# Altium PCB PCB1.PcbDoc (part 1 of 2)
Units mil, origin at the board's own origin, x right, y up, seen from the top; angles counter-clockwise.
Board outline 2485 x 2170 mil, 4 copper layers (Top Layer, Internal Plane 1, Internal Plane 2, Bottom Layer); 41 components, 55 nets, 243 pads, 48 vias.
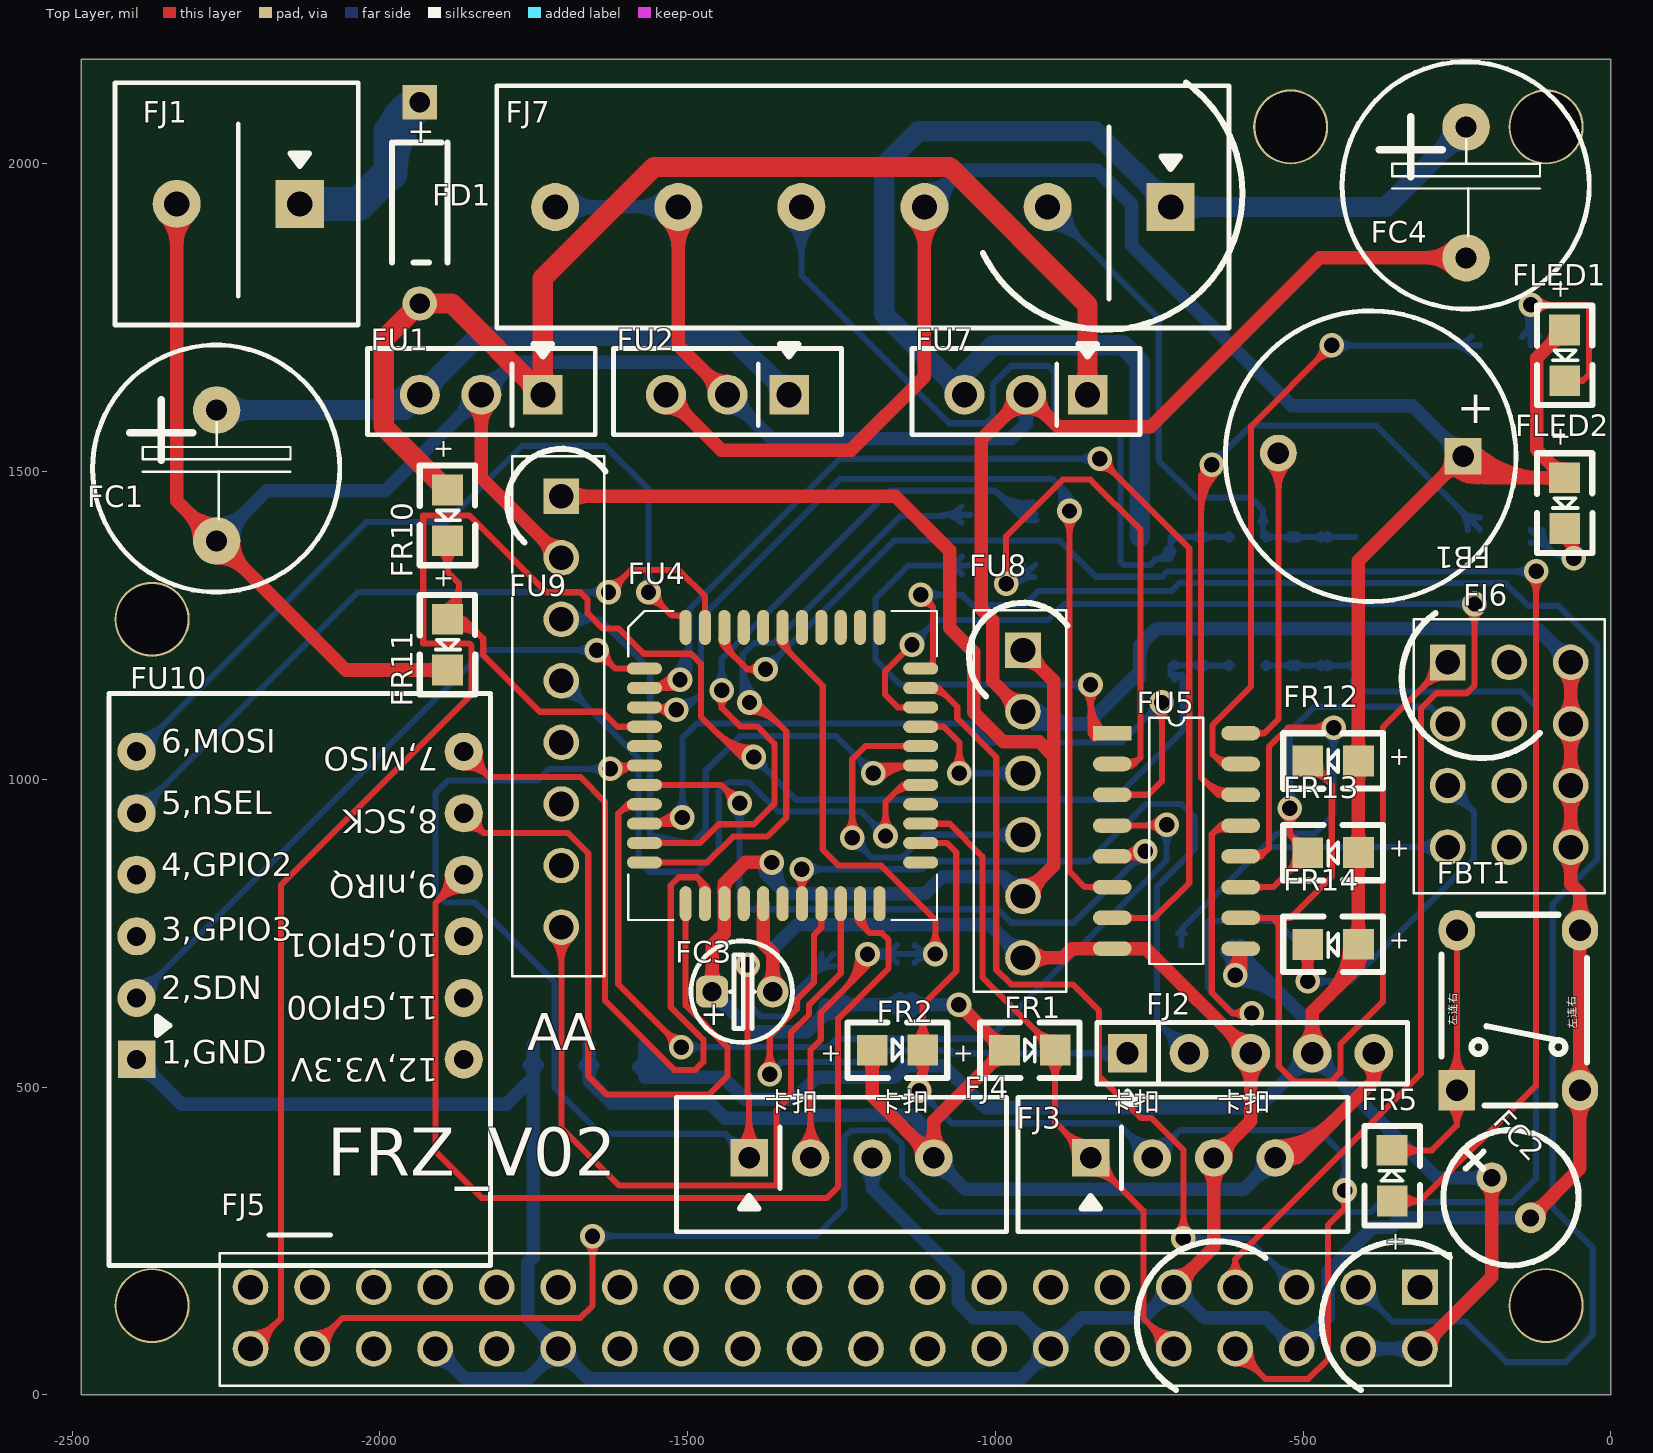
[diagram p0: Top Layer view]
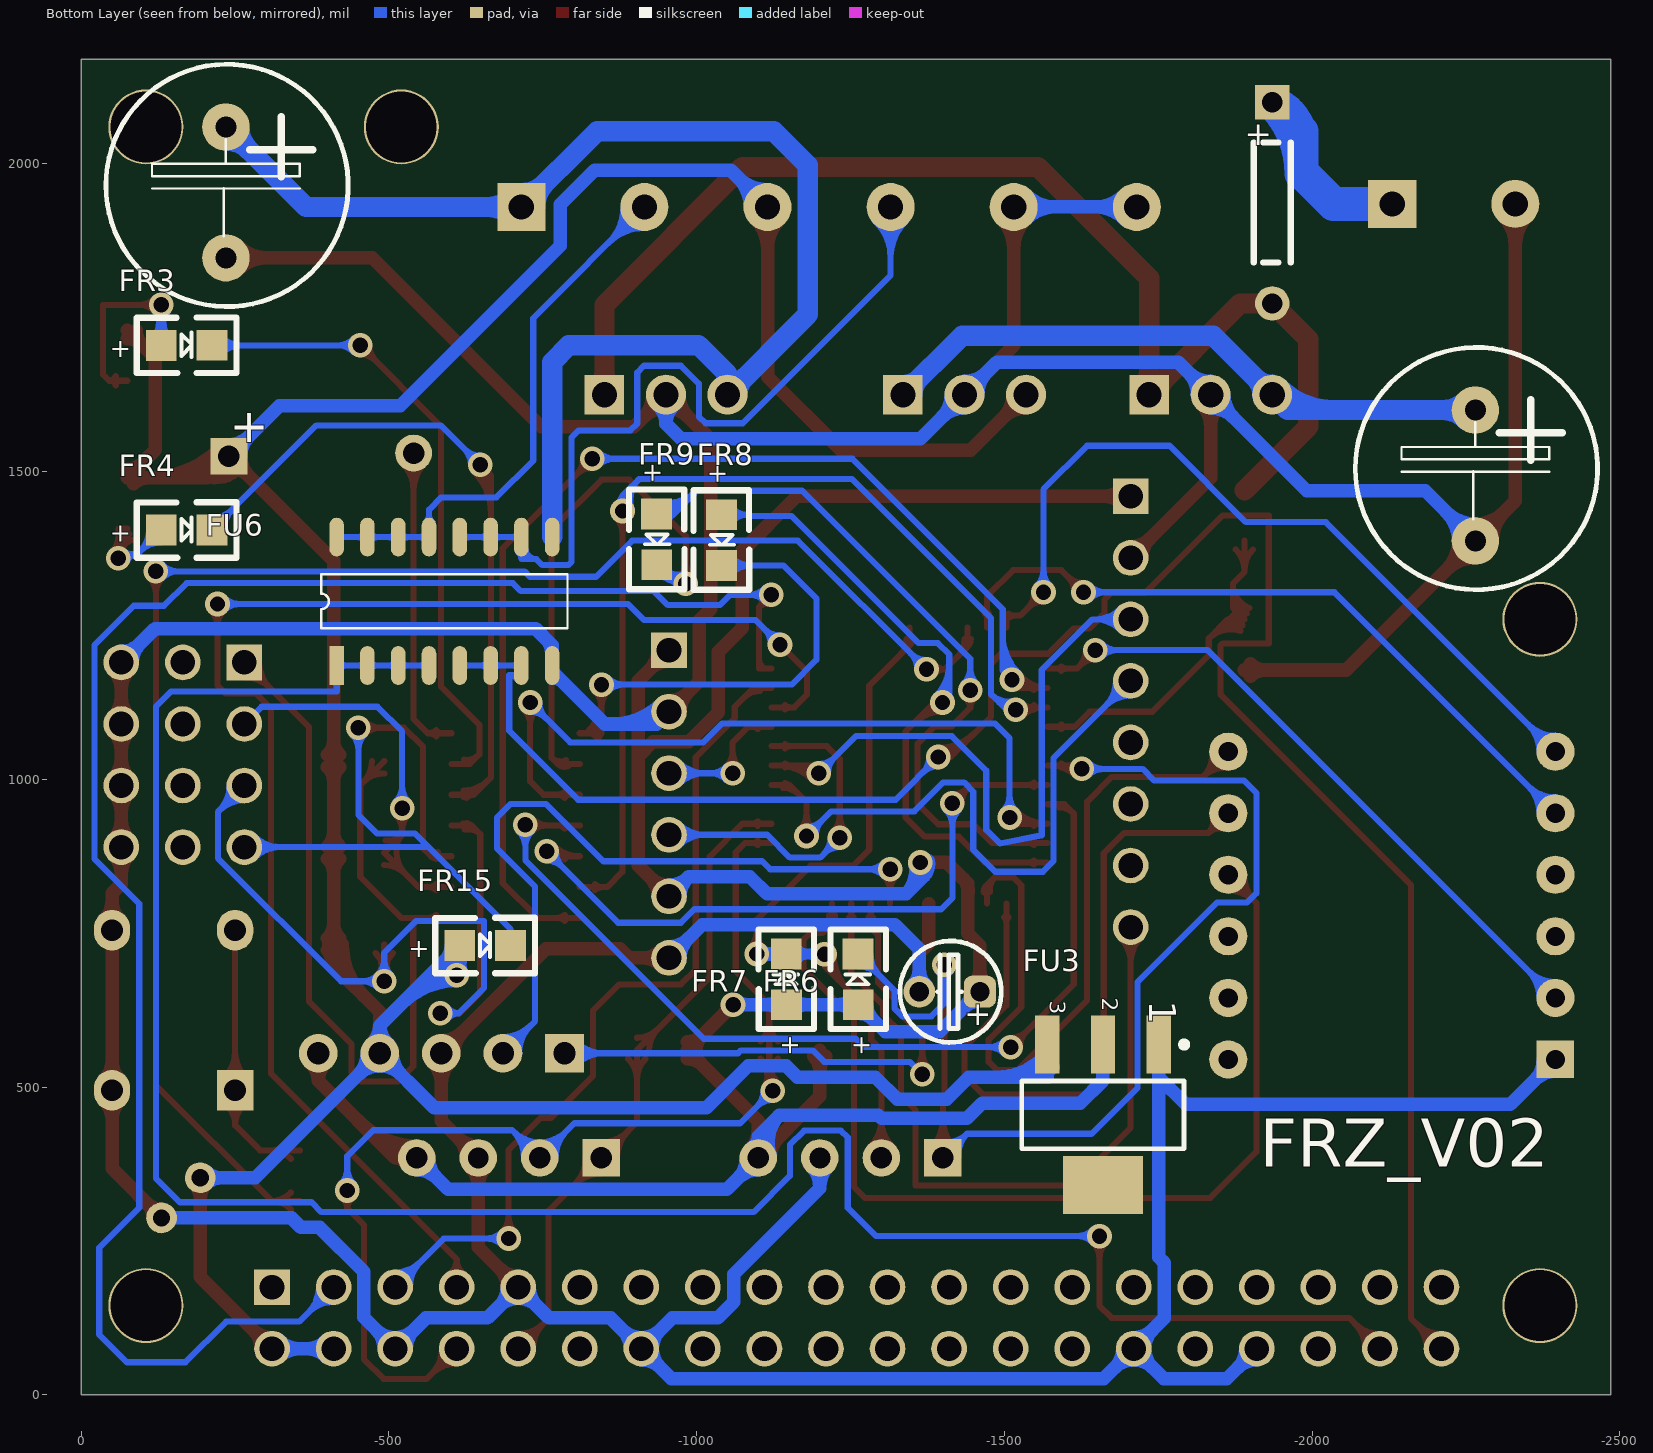
[diagram p1: Bottom Layer view, seen from below]
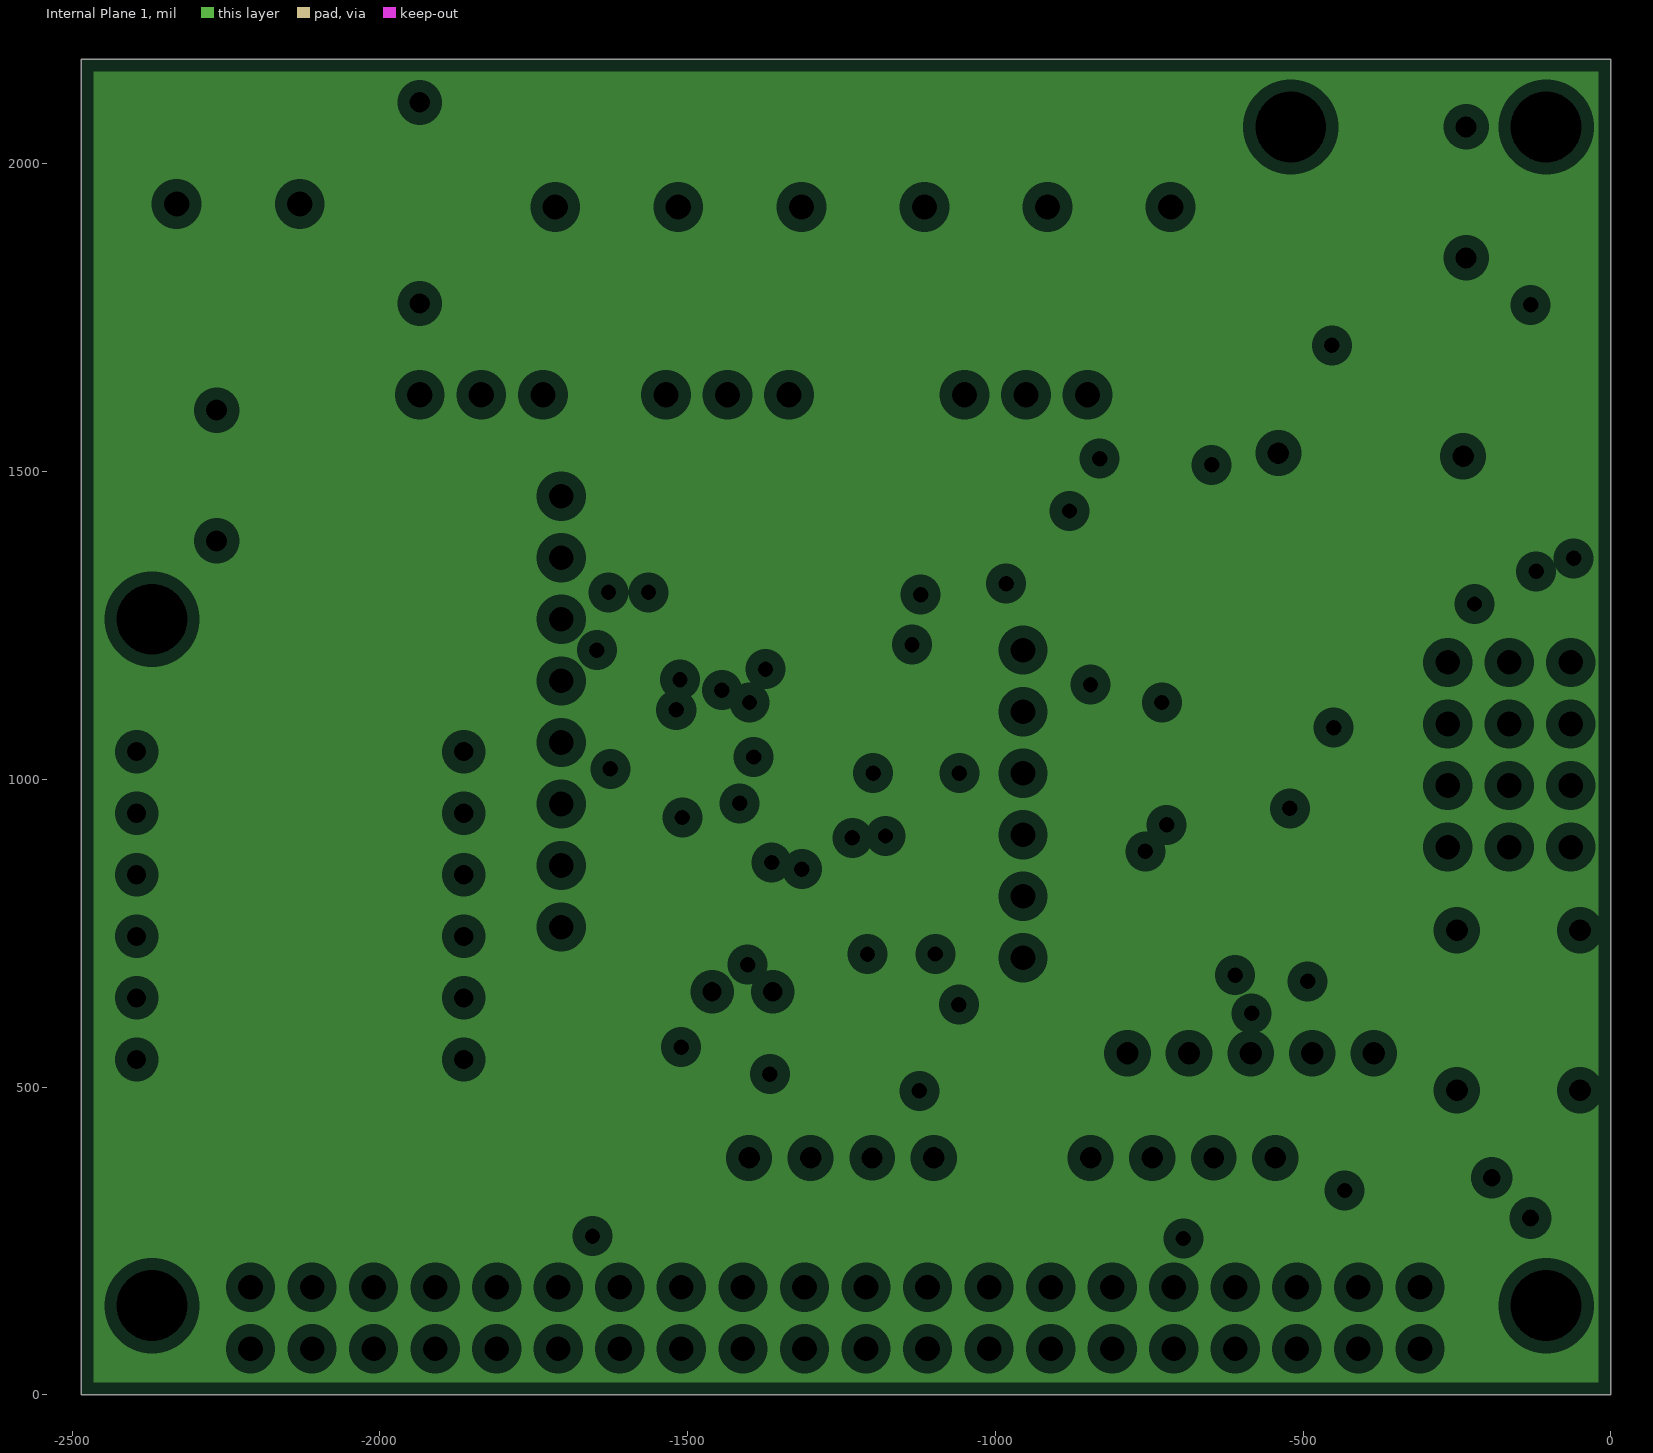
[diagram p2: Internal Plane 1, clearances drawn from the general rule]
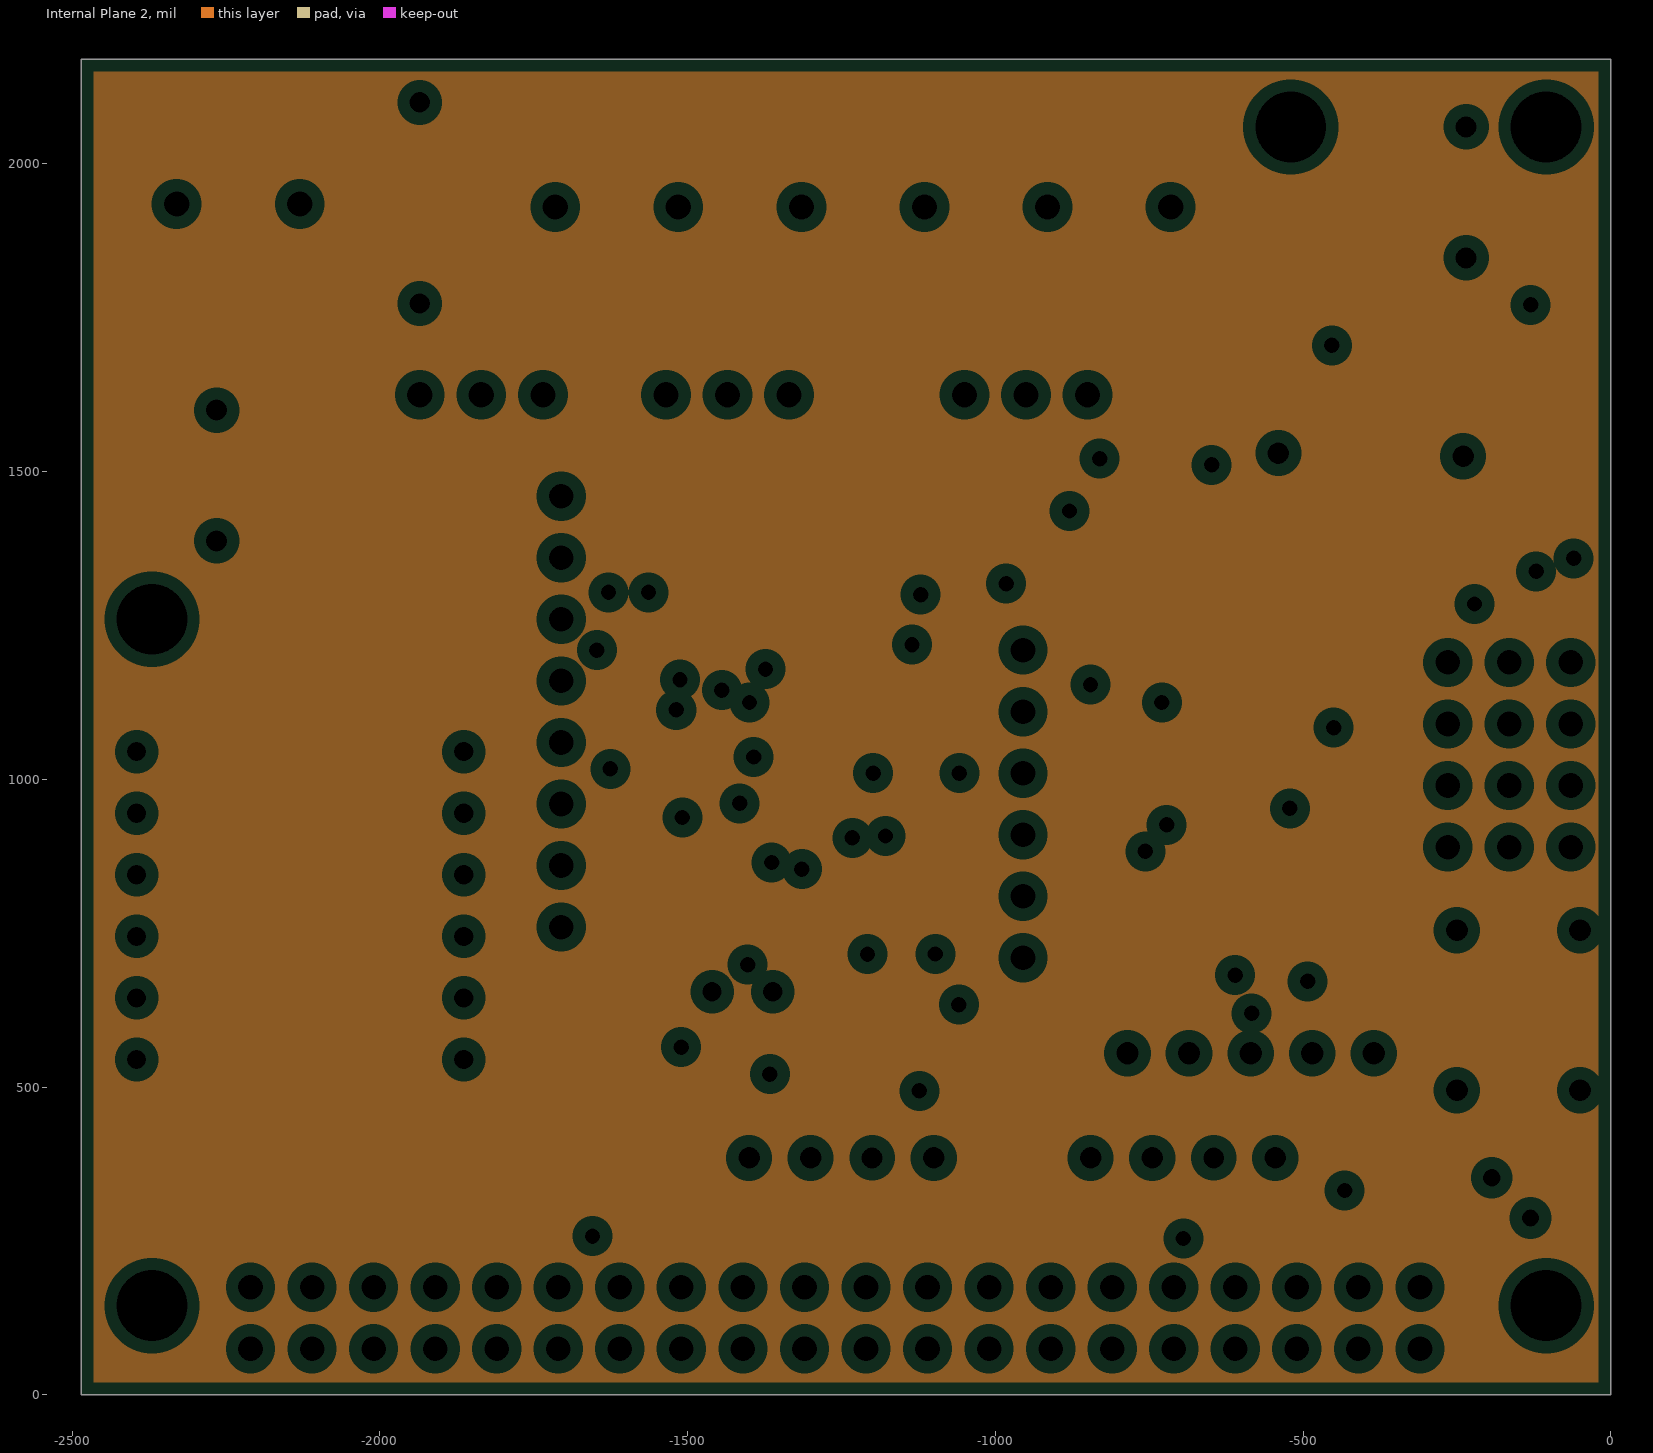
[diagram p3: Internal Plane 2, clearances drawn from the general rule]

## Layer stack, top to bottom
Top Layer: signal copper 1.4
Dielectric: dielectric 12.6, FR-4, Dk 4.8
Internal Plane 1: plane copper 1.4
Dielectric: dielectric 12.6, FR-4, Dk 4.8
Internal Plane 2: plane copper 1.4
Dielectric: dielectric 12.6, FR-4, Dk 4.8
Bottom Layer: signal copper 1.4

## Board outline
-2485,2170 0,2170 0,0 -2485,0 -2485,2170

## Design rules (kind name [scope] priority, off if disabled: settings)
Clearance [All] p1: gap=9
MinimumSolderMaskSliver [All] p1: minsoldermaskwidth=0
PlaneClearance [All] p1: clearance=20
PlaneConnect [All] p1: planeconnectstyle=Relief reliefexpansion=20 reliefentries=4 reliefconductorwidth=10 reliefairgap=10
PolygonConnect [All] p1: connectstyle=Relief reliefconductorwidth=10 reliefentries=4 polygonreliefangle="90 Angle"
RoutingVias [All] p1: holewidth=25 width=40 viastyle="Through Hole" minholewidth=28 minwidth=50 maxholewidth=28 maxwidth=50
SilkToSilkClearance [All] p1: silktosilkclearance=0
SilkscreenOverComponentPads [All] p1: minsilkscreentomaskgap=0
SolderMaskExpansion [All] p1: expansion=4
Width "Schematic Width Constraint_2" [InNet('NetFBT1_2')] p1: maxlimit=22 minlimit=16 preferedwidth=22 minimp=50.000000 maximp=50.000000 favimp=50.000000
Width "Schematic Width Constraint" [InNet('NetFC3_1')] p2: maxlimit=22 minlimit=16 preferedwidth=22 minimp=50.000000 maximp=50.000000 favimp=50.000000
Width "Schematic Width Constraint_5" [InNet('NetFC1_1')] p3: maxlimit=55 minlimit=16 preferedwidth=33 minimp=50.000000 maximp=50.000000 favimp=50.000000
Width "Schematic Width Constraint_3" [InNet('NetFC4_1')] p4: maxlimit=55 minlimit=16 preferedwidth=33 minimp=50.000000 maximp=50.000000 favimp=50.000000
Width "Schematic Width Constraint_4" [InNet('NetFD1_K')] p5: maxlimit=55 minlimit=16 preferedwidth=33 minimp=50.000000 maximp=50.000000 favimp=50.000000
Width "Schematic Width Constraint_10" [InNet('NetFD1_A')] p6: maxlimit=77 minlimit=22 preferedwidth=55 minimp=50.000000 maximp=50.000000 favimp=50.000000
Width "Schematic Width Constraint_1" [InNet('NetFB1_1')] p7: maxlimit=22 minlimit=16 preferedwidth=22 minimp=50.000000 maximp=50.000000 favimp=50.000000
Width [All] p8: maxlimit=10 minlimit=8 preferedwidth=10 minimp=50.000000 maximp=50.000000 favimp=50.000000
23 further rules are at their usual default settings.

## Components (designator, comment, footprint, x,y, rotation, side; value= is the part's Value field where it differs from the comment)
FB1 "beep" BEEP_1 -390,1525 r180 top
FBT1 "BUTT" BUTT_01 -295,300 r90 top
FC1 "1000u" CD-L_10 -2265,1600 r0 top
FC2 "105" CAP_10uF -180,310 r314 top
FC3 "106" CD -1460,655 r90 top
FC4 "1000u" CD-L_10 -235,2060 r0 top
FD1 "D" RESIST_1 -1935,2100 r0 top
FJ1 "power input" DUAN5_2P -2130,1935 r180 top
FJ2 "5脚" CONN_PRG3 -785,555 r0 top
FJ3 "XH" XH_P4 -845,385 r0 top
FJ4 "XH" XH_P4 -1400,385 r0 top
FJ5 "PI40" PI_CONNECTOR -310,175 r270 top
FJ6 "MOTODATA" MOTODATA -265,890 r0 top
FJ7 "PORT_6PIN" DUAN5_6P -1715,1930 r180 top
FLED1 "LED" LED0805 -75,1730 r270 top
FLED2 "LED" LED0805 -75,1490 r270 top
FR1 "5K" LED0805 -985,560 r0 top
FR2 "5K" LED0805 -1200,560 r0 top
FR3 "330" LED0805 -130,1705 r180 bottom
FR4 "330" LED0805 -130,1405 r180 bottom
FR5 "330" LED0805 -355,315 r90 top
FR6 "5K" LED0805 -1262.37,634 r90 bottom
FR7 "5K" LED0805 -1145.71,634 r90 bottom
FR8 "330" LED0805 -1040,1430 r270 bottom
FR9 "330" LED0805 -934.8,1431.01 r270 bottom
FR10 "10K" LED0805 -1890,1470 r270 top
FR11 "1K" LED0805 -1890,1260 r270 top
FR12 "1k" LED0805 -410,1030 r180 top
FR13 "1k" LED0805 -410,881 r180 top
FR14 "1k" LED0805 -410,732 r180 top
FR15 "1k" LED0805 -615,730 r180 bottom
FU1 "7812" TO220_1 -1735,1625 r180 top
FU2 "7805" TO220_1 -1335,1625 r180 top
FU3 "1117" SOT223_4N_1 -1660,455 r270 bottom
FU4 "STC15W4K60S4_LQFP44" LQFP44 -1570,1180 r0 top
FU5 "ULN2003" SOP16_SHORT -810,1075 r0 top
FU6 "ULN2003" SOP16_SHORT -415,1185 r90 bottom
FU7 "7812" TO220_1 -850,1625 r180 top
FU8 "SENSOR6PIN" SENSOR6PIN -955,1210 r270 top
FU9 "SENSOR8PIN" SENSOR8PIN -1705,960 r270 top
FU10 "si4463" ZY4463_01 -2395,1045 r270 top

## Footprints (in the part's own frame and the unit in brackets; to place one, negate y for a bottom-side part, rotate by r counter-clockwise, add the part's x,y. Pads: shape width x height; smd on the part's side, far side on the other; paste and mask are expansions set on the pad)
BEEP_1 [mil]
  rect 60x60 hole 35: 1(-150,0)
  round 60 hole 35: 2(150,-5.12)
  silkscreen extent -236,-236 236,236
BUTT_01 [mil]
  rect 66x59.05 hole 35.43: 1(195,-45)
  oval 66x59.05 hole 35.43: 2(195,-245) 3(455,-45) 4(455,-245)
  silkscreen extent 170,-257 480,-20
CAP_10uF [mil]
  round 50 hole 28: 1(-40,20) 2(50.55,20)
  silkscreen extent -105,-90 115,130
CD [mil]
  rrect50% 52x52 hole 31: 1(0,0)
  round 52 hole 31: 2(0,-98.43)
  silkscreen extent -82,-131 82,34
CD-L_10 [mil]
  round 77 hole 34: 1(0,0) 2(0,-212.6)
  silkscreen extent -202,-296 200,106
CONN_PRG3 [mil]
  rect 63x63 hole 36: 1(0,0)
  round 63 hole 36: 2(100,0) 3(200,0) 4(300,0) 5(400,0)
  silkscreen extent -50,-82 455,50
DUAN5_2P [mil]
  rect 78x78 hole 41: 1(0,0)
  round 78 hole 41: 2(200,0)
  silkscreen extent -95,-197 300,197
DUAN5_6P [mil]
  rect 78x78 hole 41: 1(-1000,0)
  round 78 hole 41: 2(-800,0) 3(-600,0) 4(-400,0) 5(-200,0) 6(0,0)
  silkscreen extent -1116,-202 95,199
LED0805 [mil]
  rect 50x50 smd: 1(0,0) 2(82.3,0.2)
  silkscreen extent -40,-45 122,45, body extent 2,-25 80,25, height 20
LQFP44 [mm]
  oval 1.45x0.5 smd: 1(0,0) 2(0,-0.8) 3(0,-1.6) 4(0,-2.4) 5(0,-3.2) 6(0,-4) 7(0,-4.8) 8(0,-5.6) 9(0,-6.4) 10(0,-7.2) 11(0,-8) 23(11.4,-8) 24(11.4,-7.2) 25(11.4,-6.4) 26(11.4,-5.6) 27(11.4,-4.8) 28(11.4,-4) 29(11.4,-3.2) 30(11.4,-2.4) 31(11.4,-1.6) 32(11.4,-0.8) 33(11.4,0)
  oval 0.5x1.45 smd: 12(1.7,-9.7) 13(2.5,-9.7) 14(3.3,-9.7) 15(4.1,-9.7) 16(4.9,-9.7) 17(5.7,-9.7) 18(6.5,-9.7) 19(7.3,-9.7) 20(8.1,-9.7) 21(8.9,-9.7) 22(9.7,-9.7) 34(9.7,1.7) 35(8.9,1.7) 36(8.1,1.7) 37(7.3,1.7) 38(6.5,1.7) 39(5.7,1.7) 40(4.9,1.7) 41(4.1,1.7) 42(3.3,1.7) 43(2.5,1.7) 44(1.7,1.7)
  silkscreen extent -0.67,-10.37 12.08,2.38
MOTODATA [mil] "4Â·¶"
  rect 58x58 hole 40: 1(0,300)
  round 58 hole 40: 2(100,300) 3(200,300) 4(0,200) 5(100,200) 6(200,200) 7(0,100) 8(100,100) 9(200,100) 10(0,0) 11(100,0) 12(200,0)
  silkscreen extent -75,-75 255,380
PI_CONNECTOR [mil] "pi3上的"
  rect 58x58 hole 40: 1(0,0)
  round 58 hole 40: 2(100,0) 3(0,-100) 4(100,-100) 5(0,-200) 6(100,-200) 7(0,-300) 8(100,-300) 9(0,-400) 10(100,-400) 11(0,-500) 12(100,-500) 13(0,-600) 14(100,-600) 15(0,-700) 16(100,-700) 17(0,-800) 18(100,-800) 19(0,-900) 20(100,-900) 21(0,-1000) 22(100,-1000) 23(0,-1100) 24(100,-1100) 25(0,-1200) 26(100,-1200) 27(0,-1300) 28(100,-1300) 29(0,-1400) 30(100,-1400) 31(0,-1500) 32(100,-1500) 33(0,-1600) 34(100,-1600) 35(0,-1700) 36(100,-1700) 37(0,-1800) 38(100,-1800) 39(0,-1900) 40(100,-1900)
  silkscreen extent -75,-1950 167,50
RESIST_1 [mil]
  rect 56x56 hole 33: 1(0,0)
  round 56 hole 33: 2(0,-326.77)
  silkscreen extent -45,-260 45,-65
SENSOR6PIN [mil] "6针?"
  rect 58x58 hole 40: 1(0,0)
  round 58 hole 40: 2(100,0) 3(200,0) 4(300,0) 5(400,0) 6(500,0)
  silkscreen extent -77,-88 555,72
SENSOR8PIN [mil] "8针?"
  rect 58x58 hole 40: 1(-500,0)
  round 58 hole 40: 2(-400,0) 3(-300,0) 4(-200,0) 5(-100,0) 6(0,0) 7(100,0) 8(200,0)
  silkscreen extent -577,-88 280,72
SOP16_SHORT [mm]
  rect 1.6x0.6 smd: 1(0,0)
  oval 1.6x0.6 smd: 2(0,-1.27) 3(0,-2.54) 4(0,-3.81) 5(0,-5.08) 6(0,-6.35) 7(0,-7.62) 8(0,-8.89) 9(5.3,-8.89) 10(5.3,-7.62) 11(5.3,-6.35) 12(5.3,-5.08) 13(5.3,-3.81) 14(5.3,-2.54) 15(5.3,-1.27) 16(5.3,0)
  silkscreen extent 1.54,-9.53 3.76,0.64
SOT223_4N_1 [mm]
  rect 2.4x1 smd: 1(-2.9,2.3) 2(-2.9,0) 3(-2.9,-2.3)
  rect 2.4x3.3 smd: 4(2.9,0)
  silkscreen extent -3.02,-3.35 1.4,3.47, body extent -1.85,-3.35 1.85,3.35, height 1.8
TO220_1 [mil]
  rect 64x64 hole 41: 1(0,0)
  round 65 hole 41: 2(100,0) 3(200,0)
  silkscreen extent -85,-82 285,65
XH_P4 [mm]
  rect 1.55x1.55 hole 0.889: 1(0,0)
  round 1.55 hole 0.889: 2(2.54,0) 4(7.62,0)
  round 1.55 hole 0.864: 3(5.08,0)
  silkscreen extent -3,-3.05 10.62,2.5
ZY4463_01 [mil]
  rect 61x61 hole 31: 1(500,0)
  round 62 hole 31: 2(400,0) 3(300,0) 4(200,0) 5(100,0) 6(0,0) 7(0,531.5) 8(100,531.5) 9(200,531.5) 10(300,531.5) 11(400,531.5) 12(500,531.5)
  silkscreen extent -94,-45 835,575

## Part data
FB1 FU3: library part C, "Connec"
FBT1: library part HEA
FJ1: library part CON2
FJ2 FU1 FU2 FU7: library part C
FJ3 FJ4: library part CON4
FJ5: library part PI_CONNECTOR
FJ7: library part PORT
FU10: library part CON12, "Connec"

## Free pads (board coordinates)
  round 122 hole 115: 0(-2370,145) 0(-2370,1260) 0(-520,2060) 0(-105,145) 0(-105,2060)

## Via types
v1: diameter 40, hole 25, Top Layer to Bottom Layer, 48 vias
